# KiCad board LED_Addrs.kicad_pcb (continued)
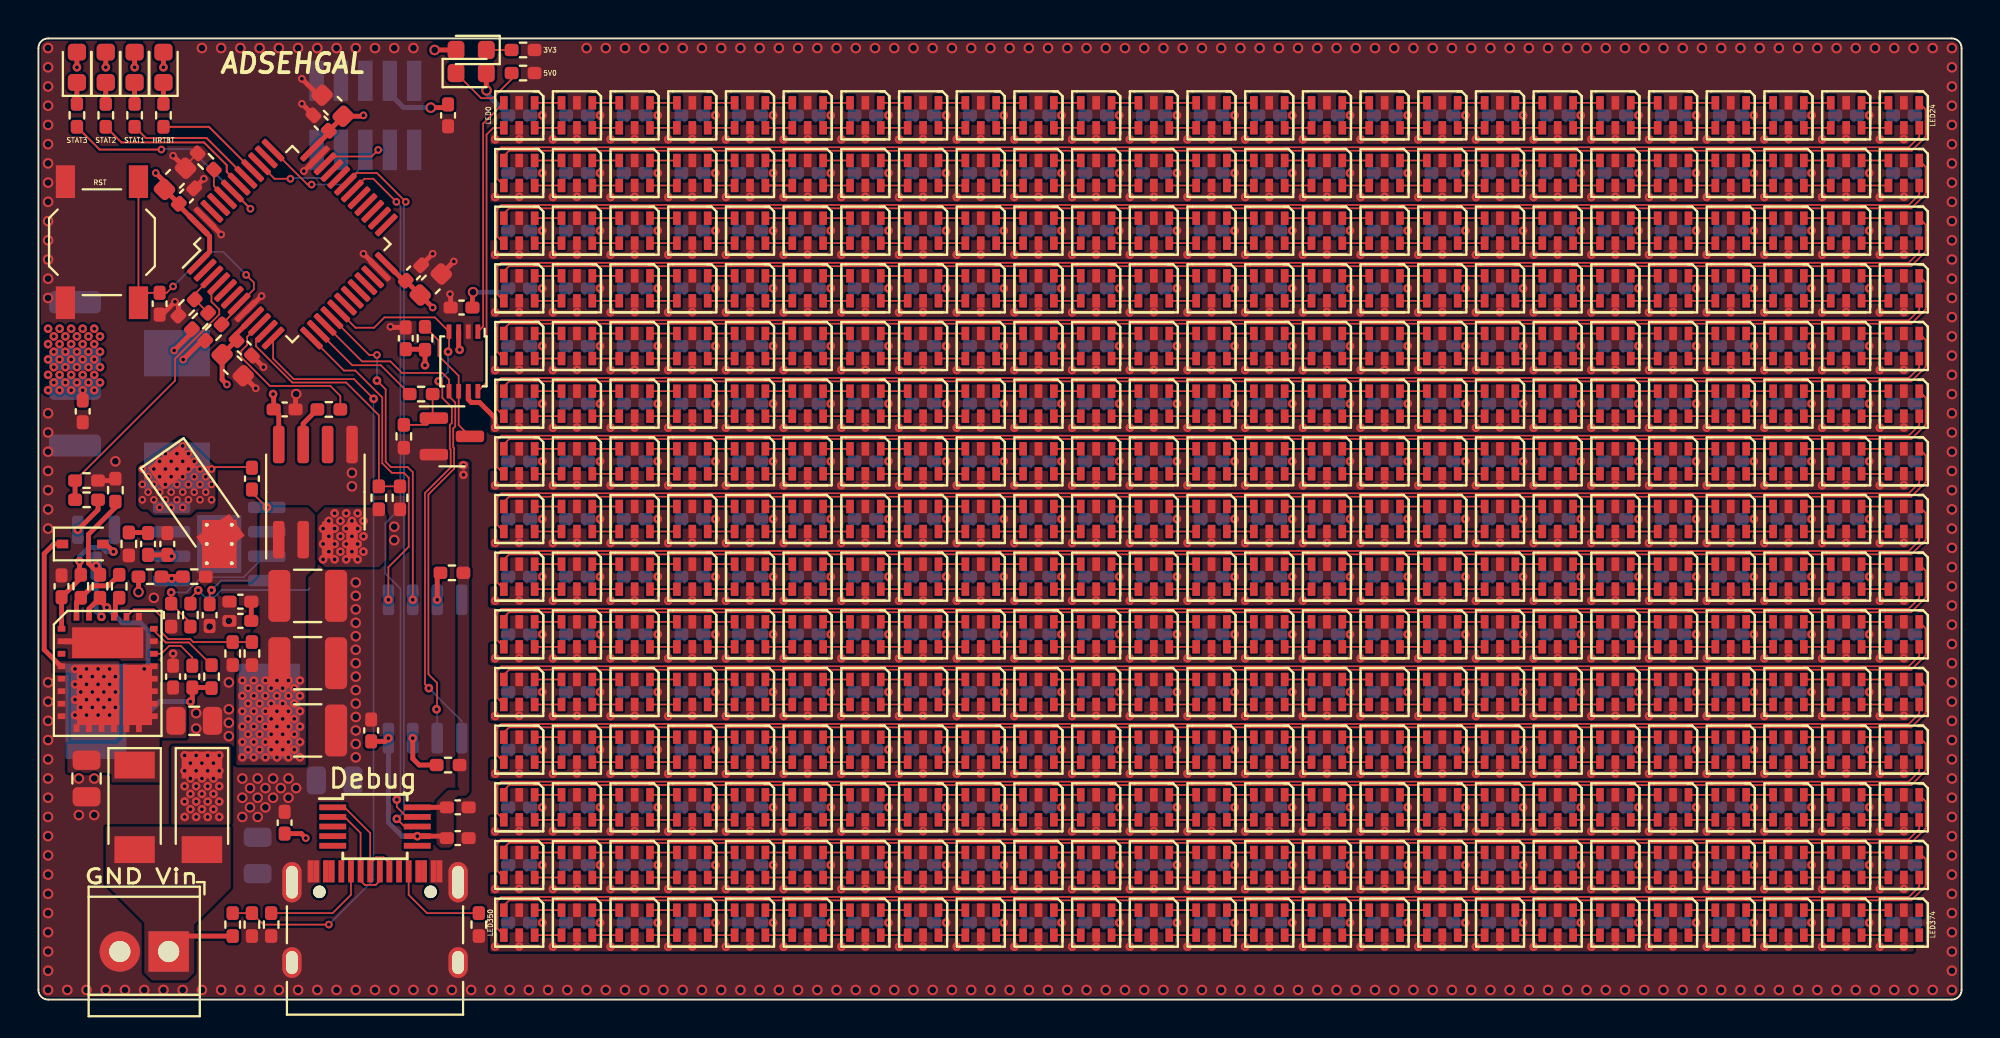
[diagram p0: board, top side]
## Placement (name value [footprint] x y rotation side) (continued)
C266  100n  [C_0402_1005Metric_Pad0.74x0.62mm_HandSolder]  70 16 180 bottom
C267  100n  [C_0402_1005Metric_Pad0.74x0.62mm_HandSolder]  73 16 180 bottom
C268  100n  [C_0402_1005Metric_Pad0.74x0.62mm_HandSolder]  76 16 180 bottom
C269  100n  [C_0402_1005Metric_Pad0.74x0.62mm_HandSolder]  79 16 180 bottom
C270  100n  [C_0402_1005Metric_Pad0.74x0.62mm_HandSolder]  82 16 180 bottom
C271  100n  [C_0402_1005Metric_Pad0.74x0.62mm_HandSolder]  85 16 180 bottom
C272  100n  [C_0402_1005Metric_Pad0.74x0.62mm_HandSolder]  88 16 180 bottom
C273  100n  [C_0402_1005Metric_Pad0.74x0.62mm_HandSolder]  91 16 180 bottom
C274  100n  [C_0402_1005Metric_Pad0.74x0.62mm_HandSolder]  94 16 180 bottom
C275  100n  [C_0402_1005Metric_Pad0.74x0.62mm_HandSolder]  97 16 180 bottom
C276  100n  [C_0402_1005Metric_Pad0.74x0.62mm_HandSolder]  25 13 180 bottom
C277  100n  [C_0402_1005Metric_Pad0.74x0.62mm_HandSolder]  28 13 180 bottom
C278  100n  [C_0402_1005Metric_Pad0.74x0.62mm_HandSolder]  31 13 180 bottom
C279  100n  [C_0402_1005Metric_Pad0.74x0.62mm_HandSolder]  34 13 180 bottom
C280  100n  [C_0402_1005Metric_Pad0.74x0.62mm_HandSolder]  37 13 180 bottom
C281  100n  [C_0402_1005Metric_Pad0.74x0.62mm_HandSolder]  40 13 180 bottom
C282  100n  [C_0402_1005Metric_Pad0.74x0.62mm_HandSolder]  43 13 180 bottom
C283  100n  [C_0402_1005Metric_Pad0.74x0.62mm_HandSolder]  46 13 180 bottom
C284  100n  [C_0402_1005Metric_Pad0.74x0.62mm_HandSolder]  49 13 180 bottom
C285  100n  [C_0402_1005Metric_Pad0.74x0.62mm_HandSolder]  52 13 180 bottom
C286  100n  [C_0402_1005Metric_Pad0.74x0.62mm_HandSolder]  55 13 180 bottom
C287  100n  [C_0402_1005Metric_Pad0.74x0.62mm_HandSolder]  58 13 180 bottom
C288  100n  [C_0402_1005Metric_Pad0.74x0.62mm_HandSolder]  61 13 180 bottom
C289  100n  [C_0402_1005Metric_Pad0.74x0.62mm_HandSolder]  64 13 180 bottom
C290  100n  [C_0402_1005Metric_Pad0.74x0.62mm_HandSolder]  67 13 180 bottom
C291  100n  [C_0402_1005Metric_Pad0.74x0.62mm_HandSolder]  70 13 180 bottom
C292  100n  [C_0402_1005Metric_Pad0.74x0.62mm_HandSolder]  73 13 180 bottom
C293  100n  [C_0402_1005Metric_Pad0.74x0.62mm_HandSolder]  76 13 180 bottom
C294  100n  [C_0402_1005Metric_Pad0.74x0.62mm_HandSolder]  79 13 180 bottom
C295  100n  [C_0402_1005Metric_Pad0.74x0.62mm_HandSolder]  82 13 180 bottom
C296  100n  [C_0402_1005Metric_Pad0.74x0.62mm_HandSolder]  85 13 180 bottom
C297  100n  [C_0402_1005Metric_Pad0.74x0.62mm_HandSolder]  88 13 180 bottom
C298  100n  [C_0402_1005Metric_Pad0.74x0.62mm_HandSolder]  91 13 180 bottom
C299  100n  [C_0402_1005Metric_Pad0.74x0.62mm_HandSolder]  94 13 180 bottom
C300  100n  [C_0402_1005Metric_Pad0.74x0.62mm_HandSolder]  97 13 180 bottom
C301  100n  [C_0402_1005Metric_Pad0.74x0.62mm_HandSolder]  25 10 180 bottom
C302  100n  [C_0402_1005Metric_Pad0.74x0.62mm_HandSolder]  28 10 180 bottom
C303  100n  [C_0402_1005Metric_Pad0.74x0.62mm_HandSolder]  31 10 180 bottom
C304  100n  [C_0402_1005Metric_Pad0.74x0.62mm_HandSolder]  34 10 180 bottom
C305  100n  [C_0402_1005Metric_Pad0.74x0.62mm_HandSolder]  37 10 180 bottom
C306  100n  [C_0402_1005Metric_Pad0.74x0.62mm_HandSolder]  40 10 180 bottom
C307  100n  [C_0402_1005Metric_Pad0.74x0.62mm_HandSolder]  43 10 180 bottom
C308  100n  [C_0402_1005Metric_Pad0.74x0.62mm_HandSolder]  46 10 180 bottom
C309  100n  [C_0402_1005Metric_Pad0.74x0.62mm_HandSolder]  49 10 180 bottom
C310  100n  [C_0402_1005Metric_Pad0.74x0.62mm_HandSolder]  52 10 180 bottom
C311  100n  [C_0402_1005Metric_Pad0.74x0.62mm_HandSolder]  55 10 180 bottom
C312  100n  [C_0402_1005Metric_Pad0.74x0.62mm_HandSolder]  58 10 180 bottom
C313  100n  [C_0402_1005Metric_Pad0.74x0.62mm_HandSolder]  61 10 180 bottom
C314  100n  [C_0402_1005Metric_Pad0.74x0.62mm_HandSolder]  64 10 180 bottom
C315  100n  [C_0402_1005Metric_Pad0.74x0.62mm_HandSolder]  67 10 180 bottom
C316  100n  [C_0402_1005Metric_Pad0.74x0.62mm_HandSolder]  70 10 180 bottom
C317  100n  [C_0402_1005Metric_Pad0.74x0.62mm_HandSolder]  73 10 180 bottom
C318  100n  [C_0402_1005Metric_Pad0.74x0.62mm_HandSolder]  76 10 180 bottom
C319  100n  [C_0402_1005Metric_Pad0.74x0.62mm_HandSolder]  79 10 180 bottom
C320  100n  [C_0402_1005Metric_Pad0.74x0.62mm_HandSolder]  82 10 180 bottom
C321  100n  [C_0402_1005Metric_Pad0.74x0.62mm_HandSolder]  85 10 180 bottom
C322  100n  [C_0402_1005Metric_Pad0.74x0.62mm_HandSolder]  88 10 180 bottom
C323  100n  [C_0402_1005Metric_Pad0.74x0.62mm_HandSolder]  91 10 180 bottom
C324  100n  [C_0402_1005Metric_Pad0.74x0.62mm_HandSolder]  94 10 180 bottom
C325  100n  [C_0402_1005Metric_Pad0.74x0.62mm_HandSolder]  97 10 180 bottom
C326  100n  [C_0402_1005Metric_Pad0.74x0.62mm_HandSolder]  25 7 180 bottom
C327  100n  [C_0402_1005Metric_Pad0.74x0.62mm_HandSolder]  28 7 180 bottom
C328  100n  [C_0402_1005Metric_Pad0.74x0.62mm_HandSolder]  31 7 180 bottom
C329  100n  [C_0402_1005Metric_Pad0.74x0.62mm_HandSolder]  34 7 180 bottom
C330  100n  [C_0402_1005Metric_Pad0.74x0.62mm_HandSolder]  37 7 180 bottom
C331  100n  [C_0402_1005Metric_Pad0.74x0.62mm_HandSolder]  40 7 180 bottom
C332  100n  [C_0402_1005Metric_Pad0.74x0.62mm_HandSolder]  43 7 180 bottom
C333  100n  [C_0402_1005Metric_Pad0.74x0.62mm_HandSolder]  46 7 180 bottom
C334  100n  [C_0402_1005Metric_Pad0.74x0.62mm_HandSolder]  49 7 180 bottom
C335  100n  [C_0402_1005Metric_Pad0.74x0.62mm_HandSolder]  52 7 180 bottom
C336  100n  [C_0402_1005Metric_Pad0.74x0.62mm_HandSolder]  55 7 180 bottom
C337  100n  [C_0402_1005Metric_Pad0.74x0.62mm_HandSolder]  58 7 180 bottom
C338  100n  [C_0402_1005Metric_Pad0.74x0.62mm_HandSolder]  61 7 180 bottom
C339  100n  [C_0402_1005Metric_Pad0.74x0.62mm_HandSolder]  64 7 180 bottom
C340  100n  [C_0402_1005Metric_Pad0.74x0.62mm_HandSolder]  67 7 180 bottom
C341  100n  [C_0402_1005Metric_Pad0.74x0.62mm_HandSolder]  70 7 180 bottom
C342  100n  [C_0402_1005Metric_Pad0.74x0.62mm_HandSolder]  73 7 180 bottom
C343  100n  [C_0402_1005Metric_Pad0.74x0.62mm_HandSolder]  76 7 180 bottom
C344  100n  [C_0402_1005Metric_Pad0.74x0.62mm_HandSolder]  79 7 180 bottom
C345  100n  [C_0402_1005Metric_Pad0.74x0.62mm_HandSolder]  82 7 180 bottom
C346  100n  [C_0402_1005Metric_Pad0.74x0.62mm_HandSolder]  85 7 180 bottom
C347  100n  [C_0402_1005Metric_Pad0.74x0.62mm_HandSolder]  88 7 180 bottom
C348  100n  [C_0402_1005Metric_Pad0.74x0.62mm_HandSolder]  91 7 180 bottom
C349  100n  [C_0402_1005Metric_Pad0.74x0.62mm_HandSolder]  94 7 180 bottom
C350  100n  [C_0402_1005Metric_Pad0.74x0.62mm_HandSolder]  97 7 180 bottom
C351  100n  [C_0402_1005Metric_Pad0.74x0.62mm_HandSolder]  25 4 180 bottom
C352  100n  [C_0402_1005Metric_Pad0.74x0.62mm_HandSolder]  28 4 180 bottom
C353  100n  [C_0402_1005Metric_Pad0.74x0.62mm_HandSolder]  31 4 180 bottom
C354  100n  [C_0402_1005Metric_Pad0.74x0.62mm_HandSolder]  34 4 180 bottom
C355  100n  [C_0402_1005Metric_Pad0.74x0.62mm_HandSolder]  37 4 180 bottom
C356  100n  [C_0402_1005Metric_Pad0.74x0.62mm_HandSolder]  40 4 180 bottom
C357  100n  [C_0402_1005Metric_Pad0.74x0.62mm_HandSolder]  43 4 180 bottom
C358  100n  [C_0402_1005Metric_Pad0.74x0.62mm_HandSolder]  46 4 180 bottom
C359  100n  [C_0402_1005Metric_Pad0.74x0.62mm_HandSolder]  49 4 180 bottom
C360  100n  [C_0402_1005Metric_Pad0.74x0.62mm_HandSolder]  52 4 180 bottom
C361  100n  [C_0402_1005Metric_Pad0.74x0.62mm_HandSolder]  55 4 180 bottom
C362  100n  [C_0402_1005Metric_Pad0.74x0.62mm_HandSolder]  58 4 180 bottom
C363  100n  [C_0402_1005Metric_Pad0.74x0.62mm_HandSolder]  61 4 180 bottom
C364  100n  [C_0402_1005Metric_Pad0.74x0.62mm_HandSolder]  64 4 180 bottom
C365  100n  [C_0402_1005Metric_Pad0.74x0.62mm_HandSolder]  67 4 180 bottom
C366  100n  [C_0402_1005Metric_Pad0.74x0.62mm_HandSolder]  70 4 180 bottom
C367  100n  [C_0402_1005Metric_Pad0.74x0.62mm_HandSolder]  73 4 180 bottom
C368  100n  [C_0402_1005Metric_Pad0.74x0.62mm_HandSolder]  76 4 180 bottom
C369  100n  [C_0402_1005Metric_Pad0.74x0.62mm_HandSolder]  79 4 180 bottom
C370  100n  [C_0402_1005Metric_Pad0.74x0.62mm_HandSolder]  82 4 180 bottom
C371  100n  [C_0402_1005Metric_Pad0.74x0.62mm_HandSolder]  85 4 180 bottom
C372  100n  [C_0402_1005Metric_Pad0.74x0.62mm_HandSolder]  88 4 180 bottom
C373  100n  [C_0402_1005Metric_Pad0.74x0.62mm_HandSolder]  91 4 180 bottom
C374  100n  [C_0402_1005Metric_Pad0.74x0.62mm_HandSolder]  94 4 180 bottom
C375  100n  [C_0402_1005Metric_Pad0.74x0.62mm_HandSolder]  97 4 180 bottom
C376  100n  [C_0402_1005Metric_Pad0.74x0.62mm_HandSolder]  19.5 37.8 225 top
C377  1u  [C_0603_1608Metric]  20.4 37.2 225 top
C378  100n  [C_0402_1005Metric_Pad0.74x0.62mm_HandSolder]  7.7 41.8 225 top
C379  1u  [C_0603_1608Metric]  7.1 42.7 225 top
C380  100n  [C_0402_1005Metric_Pad0.74x0.62mm_HandSolder]  14.7 45.6 315 top
C381  1u  [C_0603_1608Metric]  15.3 46.5 315 top
C382  100n  [C_0402_1005Metric_Pad0.74x0.62mm_HandSolder]  10.7 33.9 135 top
C383  1u  [C_0603_1608Metric]  10.1 33 135 top
C384  100n  [C_0402_1005Metric_Pad0.74x0.62mm_HandSolder]  6.3 36.2 90 top
C388  100n  [C_0402_1005Metric_Pad0.74x0.62mm_HandSolder]  21.3 46 90 top
C393  100n  [C_0402_1005Metric_Pad0.74x0.62mm_HandSolder]  21.8 10 180 top
C394  100n  [C_0402_1005Metric_Pad0.74x0.62mm_HandSolder]  21.8 8.4 180 top
C395  100n  [C_0402_1005Metric_Pad0.74x0.62mm_HandSolder]  19.1 34.4 90 top
C396  100n  [C_0402_1005Metric_Pad0.74x0.62mm_HandSolder]  22 36 0 top
C397  100n  [C_0402_1005Metric_Pad0.74x0.62mm_HandSolder]  17.3 14 270 top
C398  100n  [C_0402_1005Metric_Pad0.74x0.62mm_HandSolder]  11.1 27.1 270 top
C399  33u  [C_1210_3225Metric]  1.9 34.8 270 bottom
C400  33u  [C_1210_3225Metric]  1.9 30.3 90 bottom
C401  100n  [C_0402_1005Metric_Pad0.74x0.62mm_HandSolder]  2.3 30.6 90 top
C402  4.7u  [C_0805_2012Metric]  11.4 7.5 90 bottom
C403  4.7u  [C_0805_2012Metric]  15.4 11.4 180 bottom
C404  100n  [C_0402_1005Metric_Pad0.74x0.62mm_HandSolder]  12.8 9.2 270 top
C405  10n  [C_0402_1005Metric_Pad0.74x0.62mm_HandSolder]  8.9 20 90 top
C406  1n  [C_0402_1005Metric_Pad0.74x0.62mm_HandSolder]  5.7 23.7 270 top
C407  47p  [C_0402_1005Metric_Pad0.74x0.62mm_HandSolder]  6.7 23.7 270 top
C408  100n  [C_0402_1005Metric_Pad0.74x0.62mm_HandSolder]  12.8 30.7 0 top
C409  4.7u  [C_0805_2012Metric]  8.1 14.5 180 top
C410  4.7u  [C_0805_2012Metric]  2.5 11.5 90 top
C411  100n  [C_0402_1005Metric_Pad0.74x0.62mm_HandSolder]  7 16.8 270 top
C412  100n  [C_0402_1005Metric_Pad0.74x0.62mm_HandSolder]  8 16.8 90 top
C413  33u  [C_1210_3225Metric]  14 14 180 top
C414  33u  [C_1210_3225Metric]  14 17.5 180 top
C415  33u  [C_1210_3225Metric]  14 21 180 top
C416  100n  [C_0402_1005Metric_Pad0.74x0.62mm_HandSolder]  10.5 19.7 0 top
C417  100n  [C_0402_1005Metric_Pad0.74x0.62mm_HandSolder]  10.5 20.7 0 top
C418  2.2u  [C_0402_1005Metric_Pad0.74x0.62mm_HandSolder]  1.2 21.5 270 top
D1  SK9822  [SK9822_2020]  25 46 270 top
D2  SK9822  [SK9822_2020]  28 46 270 top
D3  SK9822  [SK9822_2020]  31 46 270 top
D4  SK9822  [SK9822_2020]  34 46 270 top
D5  SK9822  [SK9822_2020]  37 46 270 top
D6  SK9822  [SK9822_2020]  40 46 270 top
D7  SK9822  [SK9822_2020]  43 46 270 top
D8  SK9822  [SK9822_2020]  46 46 270 top
D9  SK9822  [SK9822_2020]  49 46 270 top
D10  SK9822  [SK9822_2020]  52 46 270 top
D11  SK9822  [SK9822_2020]  55 46 270 top
D12  SK9822  [SK9822_2020]  58 46 270 top
D13  SK9822  [SK9822_2020]  61 46 270 top
D14  SK9822  [SK9822_2020]  64 46 270 top
D15  SK9822  [SK9822_2020]  67 46 270 top
D16  SK9822  [SK9822_2020]  70 46 270 top
D17  SK9822  [SK9822_2020]  73 46 270 top
D18  SK9822  [SK9822_2020]  76 46 270 top
D19  SK9822  [SK9822_2020]  79 46 270 top
D20  SK9822  [SK9822_2020]  82 46 270 top
D21  SK9822  [SK9822_2020]  85 46 270 top
D22  SK9822  [SK9822_2020]  88 46 270 top
D23  SK9822  [SK9822_2020]  91 46 270 top
D24  SK9822  [SK9822_2020]  94 46 270 top
D25  SK9822  [SK9822_2020]  97 46 270 top
D26  SK9822  [SK9822_2020]  25 43 270 top
D27  SK9822  [SK9822_2020]  28 43 270 top
D28  SK9822  [SK9822_2020]  31 43 270 top
D29  SK9822  [SK9822_2020]  34 43 270 top
D30  SK9822  [SK9822_2020]  37 43 270 top
D31  SK9822  [SK9822_2020]  40 43 270 top
D32  SK9822  [SK9822_2020]  43 43 270 top
D33  SK9822  [SK9822_2020]  46 43 270 top
D34  SK9822  [SK9822_2020]  49 43 270 top
D35  SK9822  [SK9822_2020]  52 43 270 top
D36  SK9822  [SK9822_2020]  55 43 270 top
D37  SK9822  [SK9822_2020]  58 43 270 top
D38  SK9822  [SK9822_2020]  61 43 270 top
D39  SK9822  [SK9822_2020]  64 43 270 top
D40  SK9822  [SK9822_2020]  67 43 270 top
D41  SK9822  [SK9822_2020]  70 43 270 top
D42  SK9822  [SK9822_2020]  73 43 270 top
D43  SK9822  [SK9822_2020]  76 43 270 top
D44  SK9822  [SK9822_2020]  79 43 270 top
D45  SK9822  [SK9822_2020]  82 43 270 top
D46  SK9822  [SK9822_2020]  85 43 270 top
D47  SK9822  [SK9822_2020]  88 43 270 top
D48  SK9822  [SK9822_2020]  91 43 270 top
D49  SK9822  [SK9822_2020]  94 43 270 top
D50  SK9822  [SK9822_2020]  97 43 270 top
D51  SK9822  [SK9822_2020]  25 40 270 top
D52  SK9822  [SK9822_2020]  28 40 270 top
D53  SK9822  [SK9822_2020]  31 40 270 top
D54  SK9822  [SK9822_2020]  34 40 270 top
D55  SK9822  [SK9822_2020]  37 40 270 top
D56  SK9822  [SK9822_2020]  40 40 270 top
D57  SK9822  [SK9822_2020]  43 40 270 top
D58  SK9822  [SK9822_2020]  46 40 270 top
D59  SK9822  [SK9822_2020]  49 40 270 top
D60  SK9822  [SK9822_2020]  52 40 270 top
D61  SK9822  [SK9822_2020]  55 40 270 top
D62  SK9822  [SK9822_2020]  58 40 270 top
D63  SK9822  [SK9822_2020]  61 40 270 top
D64  SK9822  [SK9822_2020]  64 40 270 top
D65  SK9822  [SK9822_2020]  67 40 270 top
D66  SK9822  [SK9822_2020]  70 40 270 top
D67  SK9822  [SK9822_2020]  73 40 270 top
D68  SK9822  [SK9822_2020]  76 40 270 top
D69  SK9822  [SK9822_2020]  79 40 270 top
D70  SK9822  [SK9822_2020]  82 40 270 top
D71  SK9822  [SK9822_2020]  85 40 270 top
D72  SK9822  [SK9822_2020]  88 40 270 top
D73  SK9822  [SK9822_2020]  91 40 270 top
D74  SK9822  [SK9822_2020]  94 40 270 top
D75  SK9822  [SK9822_2020]  97 40 270 top
D76  SK9822  [SK9822_2020]  25 37 270 top
D77  SK9822  [SK9822_2020]  28 37 270 top
D78  SK9822  [SK9822_2020]  31 37 270 top
D79  SK9822  [SK9822_2020]  34 37 270 top
D80  SK9822  [SK9822_2020]  37 37 270 top
D81  SK9822  [SK9822_2020]  40 37 270 top
D82  SK9822  [SK9822_2020]  43 37 270 top
D83  SK9822  [SK9822_2020]  46 37 270 top
D84  SK9822  [SK9822_2020]  49 37 270 top
D85  SK9822  [SK9822_2020]  52 37 270 top
D86  SK9822  [SK9822_2020]  55 37 270 top
D87  SK9822  [SK9822_2020]  58 37 270 top
D88  SK9822  [SK9822_2020]  61 37 270 top
D89  SK9822  [SK9822_2020]  64 37 270 top
D90  SK9822  [SK9822_2020]  67 37 270 top
D91  SK9822  [SK9822_2020]  70 37 270 top
D92  SK9822  [SK9822_2020]  73 37 270 top
D93  SK9822  [SK9822_2020]  76 37 270 top
D94  SK9822  [SK9822_2020]  79 37 270 top
D95  SK9822  [SK9822_2020]  82 37 270 top
D96  SK9822  [SK9822_2020]  85 37 270 top
D97  SK9822  [SK9822_2020]  88 37 270 top
D98  SK9822  [SK9822_2020]  91 37 270 top
D99  SK9822  [SK9822_2020]  94 37 270 top
D100  SK9822  [SK9822_2020]  97 37 270 top
D101  SK9822  [SK9822_2020]  25 34 270 top
D102  SK9822  [SK9822_2020]  28 34 270 top
D103  SK9822  [SK9822_2020]  31 34 270 top
D104  SK9822  [SK9822_2020]  34 34 270 top
D105  SK9822  [SK9822_2020]  37 34 270 top
D106  SK9822  [SK9822_2020]  40 34 270 top
D107  SK9822  [SK9822_2020]  43 34 270 top
D108  SK9822  [SK9822_2020]  46 34 270 top
D109  SK9822  [SK9822_2020]  49 34 270 top
D110  SK9822  [SK9822_2020]  52 34 270 top
D111  SK9822  [SK9822_2020]  55 34 270 top
D112  SK9822  [SK9822_2020]  58 34 270 top
D113  SK9822  [SK9822_2020]  61 34 270 top
D114  SK9822  [SK9822_2020]  64 34 270 top
D115  SK9822  [SK9822_2020]  67 34 270 top
D116  SK9822  [SK9822_2020]  70 34 270 top
D117  SK9822  [SK9822_2020]  73 34 270 top
D118  SK9822  [SK9822_2020]  76 34 270 top
D119  SK9822  [SK9822_2020]  79 34 270 top
D120  SK9822  [SK9822_2020]  82 34 270 top
D121  SK9822  [SK9822_2020]  85 34 270 top
D122  SK9822  [SK9822_2020]  88 34 270 top
D123  SK9822  [SK9822_2020]  91 34 270 top
D124  SK9822  [SK9822_2020]  94 34 270 top
D125  SK9822  [SK9822_2020]  97 34 270 top
D126  SK9822  [SK9822_2020]  25 31 270 top
D127  SK9822  [SK9822_2020]  28 31 270 top
D128  SK9822  [SK9822_2020]  31 31 270 top
D129  SK9822  [SK9822_2020]  34 31 270 top
D130  SK9822  [SK9822_2020]  37 31 270 top
D131  SK9822  [SK9822_2020]  40 31 270 top
D132  SK9822  [SK9822_2020]  43 31 270 top
D133  SK9822  [SK9822_2020]  46 31 270 top
D134  SK9822  [SK9822_2020]  49 31 270 top
D135  SK9822  [SK9822_2020]  52 31 270 top
D136  SK9822  [SK9822_2020]  55 31 270 top
D137  SK9822  [SK9822_2020]  58 31 270 top
D138  SK9822  [SK9822_2020]  61 31 270 top
D139  SK9822  [SK9822_2020]  64 31 270 top
D140  SK9822  [SK9822_2020]  67 31 270 top
D141  SK9822  [SK9822_2020]  70 31 270 top
D142  SK9822  [SK9822_2020]  73 31 270 top
D143  SK9822  [SK9822_2020]  76 31 270 top
D144  SK9822  [SK9822_2020]  79 31 270 top
D145  SK9822  [SK9822_2020]  82 31 270 top
D146  SK9822  [SK9822_2020]  85 31 270 top
D147  SK9822  [SK9822_2020]  88 31 270 top
D148  SK9822  [SK9822_2020]  91 31 270 top
D149  SK9822  [SK9822_2020]  94 31 270 top
D150  SK9822  [SK9822_2020]  97 31 270 top
D151  SK9822  [SK9822_2020]  25 28 270 top
D152  SK9822  [SK9822_2020]  28 28 270 top
D153  SK9822  [SK9822_2020]  31 28 270 top
D154  SK9822  [SK9822_2020]  34 28 270 top
D155  SK9822  [SK9822_2020]  37 28 270 top
D156  SK9822  [SK9822_2020]  40 28 270 top
D157  SK9822  [SK9822_2020]  43 28 270 top
D158  SK9822  [SK9822_2020]  46 28 270 top
D159  SK9822  [SK9822_2020]  49 28 270 top
D160  SK9822  [SK9822_2020]  52 28 270 top
D161  SK9822  [SK9822_2020]  55 28 270 top
D162  SK9822  [SK9822_2020]  58 28 270 top
D163  SK9822  [SK9822_2020]  61 28 270 top
D164  SK9822  [SK9822_2020]  64 28 270 top
D165  SK9822  [SK9822_2020]  67 28 270 top
D166  SK9822  [SK9822_2020]  70 28 270 top
D167  SK9822  [SK9822_2020]  73 28 270 top
D168  SK9822  [SK9822_2020]  76 28 270 top
D169  SK9822  [SK9822_2020]  79 28 270 top
D170  SK9822  [SK9822_2020]  82 28 270 top
D171  SK9822  [SK9822_2020]  85 28 270 top
D172  SK9822  [SK9822_2020]  88 28 270 top
D173  SK9822  [SK9822_2020]  91 28 270 top
D174  SK9822  [SK9822_2020]  94 28 270 top
D175  SK9822  [SK9822_2020]  97 28 270 top
D176  SK9822  [SK9822_2020]  25 25 270 top
D177  SK9822  [SK9822_2020]  28 25 270 top
D178  SK9822  [SK9822_2020]  31 25 270 top
D179  SK9822  [SK9822_2020]  34 25 270 top
D180  SK9822  [SK9822_2020]  37 25 270 top
D181  SK9822  [SK9822_2020]  40 25 270 top
D182  SK9822  [SK9822_2020]  43 25 270 top
D183  SK9822  [SK9822_2020]  46 25 270 top
D184  SK9822  [SK9822_2020]  49 25 270 top
D185  SK9822  [SK9822_2020]  52 25 270 top
D186  SK9822  [SK9822_2020]  55 25 270 top
D187  SK9822  [SK9822_2020]  58 25 270 top
D188  SK9822  [SK9822_2020]  61 25 270 top
D189  SK9822  [SK9822_2020]  64 25 270 top
D190  SK9822  [SK9822_2020]  67 25 270 top
D191  SK9822  [SK9822_2020]  70 25 270 top
D192  SK9822  [SK9822_2020]  73 25 270 top
D193  SK9822  [SK9822_2020]  76 25 270 top
D194  SK9822  [SK9822_2020]  79 25 270 top
D195  SK9822  [SK9822_2020]  82 25 270 top
D196  SK9822  [SK9822_2020]  85 25 270 top
D197  SK9822  [SK9822_2020]  88 25 270 top
D198  SK9822  [SK9822_2020]  91 25 270 top
D199  SK9822  [SK9822_2020]  94 25 270 top
D200  SK9822  [SK9822_2020]  97 25 270 top
D201  SK9822  [SK9822_2020]  25 22 270 top
D202  SK9822  [SK9822_2020]  28 22 270 top
D203  SK9822  [SK9822_2020]  31 22 270 top
D204  SK9822  [SK9822_2020]  34 22 270 top
D205  SK9822  [SK9822_2020]  37 22 270 top
D206  SK9822  [SK9822_2020]  40 22 270 top
D207  SK9822  [SK9822_2020]  43 22 270 top
D208  SK9822  [SK9822_2020]  46 22 270 top
D209  SK9822  [SK9822_2020]  49 22 270 top
D210  SK9822  [SK9822_2020]  52 22 270 top
D211  SK9822  [SK9822_2020]  55 22 270 top
D212  SK9822  [SK9822_2020]  58 22 270 top
D213  SK9822  [SK9822_2020]  61 22 270 top
D214  SK9822  [SK9822_2020]  64 22 270 top
D215  SK9822  [SK9822_2020]  67 22 270 top
D216  SK9822  [SK9822_2020]  70 22 270 top
D217  SK9822  [SK9822_2020]  73 22 270 top
D218  SK9822  [SK9822_2020]  76 22 270 top
D219  SK9822  [SK9822_2020]  79 22 270 top
D220  SK9822  [SK9822_2020]  82 22 270 top
D221  SK9822  [SK9822_2020]  85 22 270 top
D222  SK9822  [SK9822_2020]  88 22 270 top
D223  SK9822  [SK9822_2020]  91 22 270 top
D224  SK9822  [SK9822_2020]  94 22 270 top
D225  SK9822  [SK9822_2020]  97 22 270 top
D226  SK9822  [SK9822_2020]  25 19 270 top
D227  SK9822  [SK9822_2020]  28 19 270 top
D228  SK9822  [SK9822_2020]  31 19 270 top
D229  SK9822  [SK9822_2020]  34 19 270 top
D230  SK9822  [SK9822_2020]  37 19 270 top
D231  SK9822  [SK9822_2020]  40 19 270 top
D232  SK9822  [SK9822_2020]  43 19 270 top
D233  SK9822  [SK9822_2020]  46 19 270 top
D234  SK9822  [SK9822_2020]  49 19 270 top
D235  SK9822  [SK9822_2020]  52 19 270 top
D236  SK9822  [SK9822_2020]  55 19 270 top
D237  SK9822  [SK9822_2020]  58 19 270 top
D238  SK9822  [SK9822_2020]  61 19 270 top
D239  SK9822  [SK9822_2020]  64 19 270 top
D240  SK9822  [SK9822_2020]  67 19 270 top
D241  SK9822  [SK9822_2020]  70 19 270 top
D242  SK9822  [SK9822_2020]  73 19 270 top
D243  SK9822  [SK9822_2020]  76 19 270 top
D244  SK9822  [SK9822_2020]  79 19 270 top
D245  SK9822  [SK9822_2020]  82 19 270 top
D246  SK9822  [SK9822_2020]  85 19 270 top
D247  SK9822  [SK9822_2020]  88 19 270 top
D248  SK9822  [SK9822_2020]  91 19 270 top
D249  SK9822  [SK9822_2020]  94 19 270 top
D250  SK9822  [SK9822_2020]  97 19 270 top
D251  SK9822  [SK9822_2020]  25 16 270 top
D252  SK9822  [SK9822_2020]  28 16 270 top
D253  SK9822  [SK9822_2020]  31 16 270 top
D254  SK9822  [SK9822_2020]  34 16 270 top
D255  SK9822  [SK9822_2020]  37 16 270 top
D256  SK9822  [SK9822_2020]  40 16 270 top
D257  SK9822  [SK9822_2020]  43 16 270 top
D258  SK9822  [SK9822_2020]  46 16 270 top
D259  SK9822  [SK9822_2020]  49 16 270 top
D260  SK9822  [SK9822_2020]  52 16 270 top
D261  SK9822  [SK9822_2020]  55 16 270 top
D262  SK9822  [SK9822_2020]  58 16 270 top
D263  SK9822  [SK9822_2020]  61 16 270 top
D264  SK9822  [SK9822_2020]  64 16 270 top
D265  SK9822  [SK9822_2020]  67 16 270 top
D266  SK9822  [SK9822_2020]  70 16 270 top
D267  SK9822  [SK9822_2020]  73 16 270 top
D268  SK9822  [SK9822_2020]  76 16 270 top
D269  SK9822  [SK9822_2020]  79 16 270 top
D270  SK9822  [SK9822_2020]  82 16 270 top
D271  SK9822  [SK9822_2020]  85 16 270 top
D272  SK9822  [SK9822_2020]  88 16 270 top
D273  SK9822  [SK9822_2020]  91 16 270 top
D274  SK9822  [SK9822_2020]  94 16 270 top
D275  SK9822  [SK9822_2020]  97 16 270 top
D276  SK9822  [SK9822_2020]  25 13 270 top
D277  SK9822  [SK9822_2020]  28 13 270 top
D278  SK9822  [SK9822_2020]  31 13 270 top
D279  SK9822  [SK9822_2020]  34 13 270 top
D280  SK9822  [SK9822_2020]  37 13 270 top
D281  SK9822  [SK9822_2020]  40 13 270 top
D282  SK9822  [SK9822_2020]  43 13 270 top
D283  SK9822  [SK9822_2020]  46 13 270 top
D284  SK9822  [SK9822_2020]  49 13 270 top
D285  SK9822  [SK9822_2020]  52 13 270 top
D286  SK9822  [SK9822_2020]  55 13 270 top
D287  SK9822  [SK9822_2020]  58 13 270 top
D288  SK9822  [SK9822_2020]  61 13 270 top
D289  SK9822  [SK9822_2020]  64 13 270 top
D290  SK9822  [SK9822_2020]  67 13 270 top
D291  SK9822  [SK9822_2020]  70 13 270 top
D292  SK9822  [SK9822_2020]  73 13 270 top
D293  SK9822  [SK9822_2020]  76 13 270 top
D294  SK9822  [SK9822_2020]  79 13 270 top
D295  SK9822  [SK9822_2020]  82 13 270 top
D296  SK9822  [SK9822_2020]  85 13 270 top
D297  SK9822  [SK9822_2020]  88 13 270 top
D298  SK9822  [SK9822_2020]  91 13 270 top
D299  SK9822  [SK9822_2020]  94 13 270 top
D300  SK9822  [SK9822_2020]  97 13 270 top
D301  SK9822  [SK9822_2020]  25 10 270 top
D302  SK9822  [SK9822_2020]  28 10 270 top
D303  SK9822  [SK9822_2020]  31 10 270 top
D304  SK9822  [SK9822_2020]  34 10 270 top
D305  SK9822  [SK9822_2020]  37 10 270 top
D306  SK9822  [SK9822_2020]  40 10 270 top
D307  SK9822  [SK9822_2020]  43 10 270 top
D308  SK9822  [SK9822_2020]  46 10 270 top
D309  SK9822  [SK9822_2020]  49 10 270 top
D310  SK9822  [SK9822_2020]  52 10 270 top
D311  SK9822  [SK9822_2020]  55 10 270 top
D312  SK9822  [SK9822_2020]  58 10 270 top
D313  SK9822  [SK9822_2020]  61 10 270 top
D314  SK9822  [SK9822_2020]  64 10 270 top
D315  SK9822  [SK9822_2020]  67 10 270 top
D316  SK9822  [SK9822_2020]  70 10 270 top
D317  SK9822  [SK9822_2020]  73 10 270 top
D318  SK9822  [SK9822_2020]  76 10 270 top
D319  SK9822  [SK9822_2020]  79 10 270 top
D320  SK9822  [SK9822_2020]  82 10 270 top
D321  SK9822  [SK9822_2020]  85 10 270 top
D322  SK9822  [SK9822_2020]  88 10 270 top
D323  SK9822  [SK9822_2020]  91 10 270 top
D324  SK9822  [SK9822_2020]  94 10 270 top
D325  SK9822  [SK9822_2020]  97 10 270 top
D326  SK9822  [SK9822_2020]  25 7 270 top
D327  SK9822  [SK9822_2020]  28 7 270 top
D328  SK9822  [SK9822_2020]  31 7 270 top
D329  SK9822  [SK9822_2020]  34 7 270 top
D330  SK9822  [SK9822_2020]  37 7 270 top
D331  SK9822  [SK9822_2020]  40 7 270 top
D332  SK9822  [SK9822_2020]  43 7 270 top
D333  SK9822  [SK9822_2020]  46 7 270 top
D334  SK9822  [SK9822_2020]  49 7 270 top
D335  SK9822  [SK9822_2020]  52 7 270 top
D336  SK9822  [SK9822_2020]  55 7 270 top
D337  SK9822  [SK9822_2020]  58 7 270 top
D338  SK9822  [SK9822_2020]  61 7 270 top
D339  SK9822  [SK9822_2020]  64 7 270 top
D340  SK9822  [SK9822_2020]  67 7 270 top
D341  SK9822  [SK9822_2020]  70 7 270 top
D342  SK9822  [SK9822_2020]  73 7 270 top
D343  SK9822  [SK9822_2020]  76 7 270 top
D344  SK9822  [SK9822_2020]  79 7 270 top
D345  SK9822  [SK9822_2020]  82 7 270 top
D346  SK9822  [SK9822_2020]  85 7 270 top
D347  SK9822  [SK9822_2020]  88 7 270 top
D348  SK9822  [SK9822_2020]  91 7 270 top
D349  SK9822  [SK9822_2020]  94 7 270 top
D350  SK9822  [SK9822_2020]  97 7 270 top
D351  SK9822  [SK9822_2020]  25 4 270 top
D352  SK9822  [SK9822_2020]  28 4 270 top
D353  SK9822  [SK9822_2020]  31 4 270 top
D354  SK9822  [SK9822_2020]  34 4 270 top
D355  SK9822  [SK9822_2020]  37 4 270 top
D356  SK9822  [SK9822_2020]  40 4 270 top
D357  SK9822  [SK9822_2020]  43 4 270 top
D358  SK9822  [SK9822_2020]  46 4 270 top
D359  SK9822  [SK9822_2020]  49 4 270 top
D360  SK9822  [SK9822_2020]  52 4 270 top
D361  SK9822  [SK9822_2020]  55 4 270 top
D362  SK9822  [SK9822_2020]  58 4 270 top
D363  SK9822  [SK9822_2020]  61 4 270 top
D364  SK9822  [SK9822_2020]  64 4 270 top
D365  SK9822  [SK9822_2020]  67 4 270 top
D366  SK9822  [SK9822_2020]  70 4 270 top
D367  SK9822  [SK9822_2020]  73 4 270 top
D368  SK9822  [SK9822_2020]  76 4 270 top
D369  SK9822  [SK9822_2020]  79 4 270 top
D370  SK9822  [SK9822_2020]  82 4 270 top
D371  SK9822  [SK9822_2020]  85 4 270 top
D372  SK9822  [SK9822_2020]  88 4 270 top
D373  SK9822  [SK9822_2020]  91 4 270 top
D374  SK9822  [SK9822_2020]  94 4 270 top
D375  SK9822  [SK9822_2020]  97 4 270 top
D376  BLUE  [LED_0603_1608Metric]  6.5 48.5 90 top
D377  GREEN  [LED_0603_1608Metric]  5 48.5 90 top
D378  GREEN  [LED_0603_1608Metric]  3.5 48.5 90 top
D379  RED  [LED_0603_1608Metric]  2 48.5 90 top
D380  D_Schottky_Small  [D_SOD-128]  8.5 10 270 top
D381  D_Schottky_Small  [D_SOD-128]  8.2 25.9 305 top
D382  GREEN  [LED_0603_1608Metric]  22.5 49.4 180 top
D383  D_Schottky_Small  [D_SOD-128]  5 10 270 top
D384  D_Schottky_Small  [D_SOD-323]  2.3 23.7 0 top
D385  GREEN  [LED_0603_1608Metric]  22.5 48.2 0 top
J1  Conn_ST_STDC14  [PinSocket_2x05_P1.27mm_Vertical_SMD]  17 46 90 bottom
J2  USB_C_Receptacle  [USB_C_Receptacle_XKB_U262-16XN-4BVC11]  17.5 3 0 top
J3  Screw_Terminal_01x02  [TerminalBlock_TE_282834-2_1x02_P2.54mm_Horizontal]  6.77 2.5 180 top
L1  6.8u  [L_Vishay_IHLP-2525]  7.2 30.7 90 bottom
L2  1u  [L_Vishay_IHLP-4040]  7.5 15 0 bottom
Q1  FDN335N  [SOT-23]  21.5 29.3 0 top
Q2  FDN335N  [SOT-23]  3 23.5 270 bottom
R1  0R DNP  [R_0402_1005Metric_Pad0.72x0.64mm_HandSolder]  8.4 35.3 45 top
R2  10K  [R_0402_1005Metric_Pad0.72x0.64mm_HandSolder]  9.1 34.7 45 top
R3  330R  [R_0402_1005Metric_Pad0.72x0.64mm_HandSolder]  6.5 46 270 top
R4  330R  [R_0402_1005Metric_Pad0.72x0.64mm_HandSolder]  5 46 270 top
R5  330R  [R_0402_1005Metric_Pad0.72x0.64mm_HandSolder]  3.5 46 270 top
R6  330R  [R_0402_1005Metric_Pad0.72x0.64mm_HandSolder]  2 46 270 top
R7  100K  [R_0402_1005Metric_Pad0.72x0.64mm_HandSolder]  7.7 36 225 top
R8  10K  [R_0402_1005Metric_Pad0.72x0.64mm_HandSolder]  8.7 43.6 135 top
R10  5K1  [R_0402_1005Metric_Pad0.72x0.64mm_HandSolder]  12.1 3.9 270 top
R11  5K1  [R_0402_1005Metric_Pad0.72x0.64mm_HandSolder]  22.9 3.9 270 top
R12  10K  [R_0402_1005Metric_Pad0.72x0.64mm_HandSolder]  20.1 34.4 270 top
R13  1K  [R_0402_1005Metric_Pad0.72x0.64mm_HandSolder]  19.9 31.5 180 top
R14  10K  [R_0402_1005Metric_Pad0.72x0.64mm_HandSolder]  19 29.3 90 top
R15  10K  [R_0402_1005Metric_Pad0.72x0.64mm_HandSolder]  21.5 22.2 0 top
R16  10K  [R_0402_1005Metric_Pad0.72x0.64mm_HandSolder]  21.3 12.2 0 top
R17  10K2  [R_0402_1005Metric_Pad0.72x0.64mm_HandSolder]  5.8 22 180 top
R18  6K  [R_0402_1005Metric_Pad0.72x0.64mm_HandSolder]  7.9 20 90 top
R19  3K2  [R_0402_1005Metric_Pad0.72x0.64mm_HandSolder]  8.1 22 180 top
R20  330R  [R_0402_1005Metric_Pad0.72x0.64mm_HandSolder]  25.2 49.4 0 top
R21  1K  [R_0402_1005Metric_Pad0.72x0.64mm_HandSolder]  6.9 20 90 top
R22  29K4  [R_0402_1005Metric_Pad0.72x0.64mm_HandSolder]  4.7 23.7 90 top
R23  1K  [R_0402_1005Metric_Pad0.72x0.64mm_HandSolder]  15.1 30.7 180 top
R24  2R  [R_0402_1005Metric_Pad0.72x0.64mm_HandSolder]  9 16.8 90 top
R25  5K  [R_0402_1005Metric_Pad0.72x0.64mm_HandSolder]  11.1 18 270 top
